# KiCad board yddraig68k.kicad_pcb (continued)
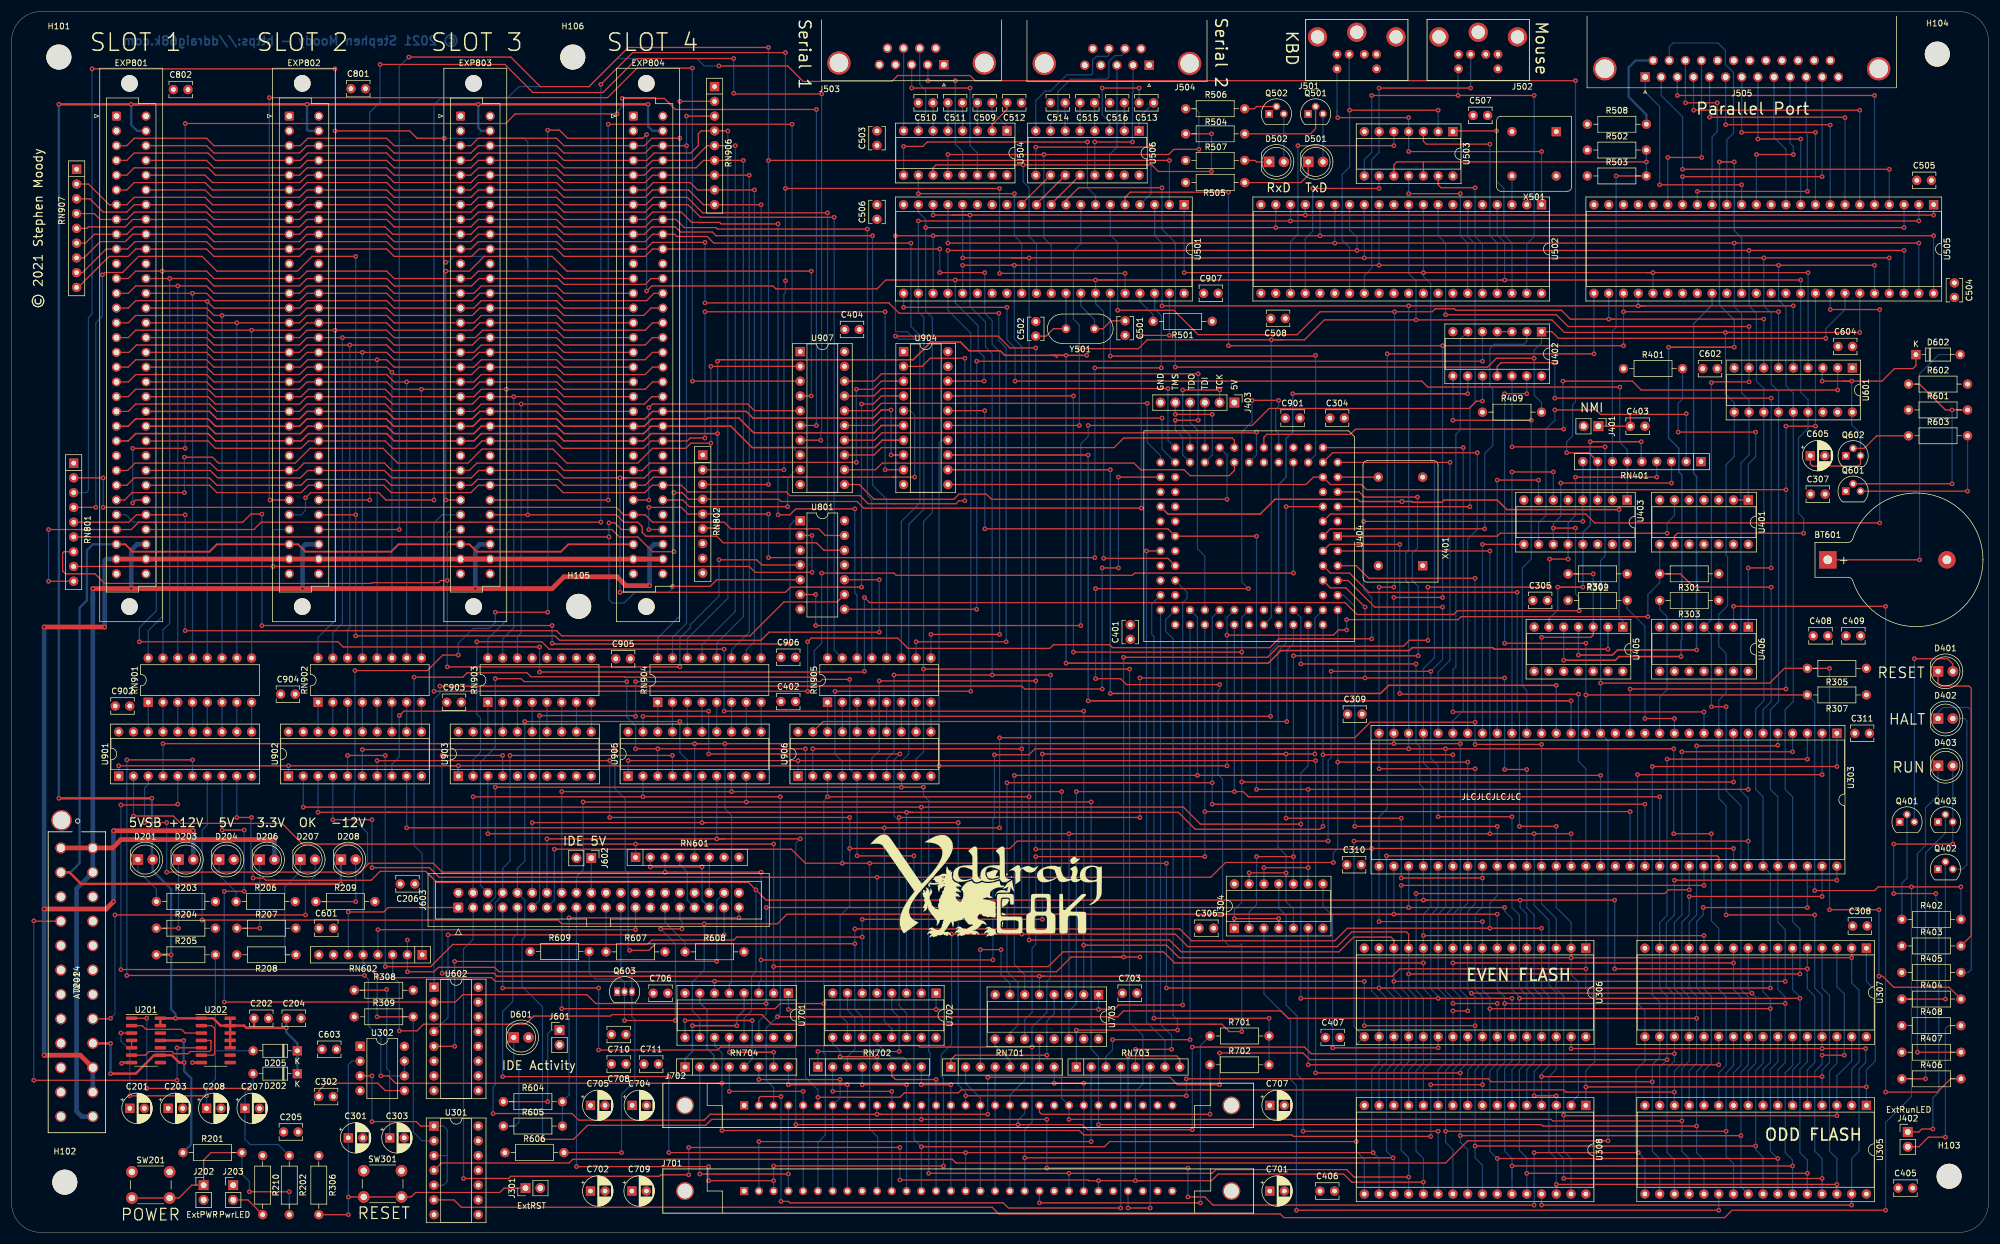
[diagram p0: board, top side]
## Routing (per net, layer and track width the routed paths; a pad name or vN(x,y) marks a point on that pad's centre or on a via; arc(x,y) is an arc through that point) (continued)
  Top w0.203: v1(133.48,124.84) 116.59,124.84 115.44,125.98 EXP804.C27
  Bottom w0.203: U907.9 134.94,131.19 133.48,129.73 v1(133.48,124.84)
/Expansion Bus/~{BCS_EXTREG1}: length 143.4
  Top w0.203: EXP801.A27 19.43,125.98 20.7,127.25 v1(29.72,127.25) ; v1(120.27,148.97) 135.64,148.97 ; v1(29.72,133.35) 34.54,133.35 35.56,132.33 48.77,132.33 51.31,134.87 63.88,134.87 66.42,132.33 78.49,132.33 80.9,134.75 93.09,134.75 95.5,132.33 107.7,132.33 110.24,134.87 115.95,134.87 116.84,135.76 v1(120.27,135.76)
  Bottom w0.203: v1(120.27,148.97) v1(120.27,135.76) ; v1(29.72,127.25) v1(29.72,133.35)
/Expansion Bus/~{BCS_EXTREG2}: length 219.8
  Top w0.203: v1(44.32,195.2) 102.49,195.2 107.57,200.28 v1(117.09,200.28) ; EXP802.A27 v1(44.45,125.98) ; U907.3 v1(117.09,146.43)
  Bottom w0.203: v1(117.09,146.43) v1(117.09,200.28) ; v1(44.45,125.98) 44.32,126.11 v1(44.32,195.2)
/Expansion Bus/~{BCS_EXTREG3}: length 130.2
  Top w0.203: v1(137.54,165.35) 95.5,165.35 92.96,167.89 81.28,167.89 78.74,165.35 v1(74.68,165.35) ; v1(74.68,125.98) EXP803.A27 ; 135.64,143.89 v1(137.54,143.89)
  Bottom w0.203: v1(74.68,165.35) v1(74.68,125.98) ; v1(137.54,143.89) v1(137.54,165.35)
/Expansion Bus/~{BCS_EXTREG4}: length 45.3
  Top w0.203: U907.5 127.76,141.35 126.62,142.49 110.24,142.49 v1(109.6,141.86) ; EXP804.A27 v1(109.6,125.98)
  Bottom w0.203: v1(109.6,125.98) v1(109.6,141.86)
/Expansion Bus/~{BLDS}: length 152.3
  Top w0.203: U904.3 149.61,146.43 148.21,145.03 v1(145.29,145.03) ; EXP801.A25 19.94,131.06 21.21,132.33 34.16,132.33 35.43,131.06 EXP802.A25 49.02,131.06 50.29,132.33 64.13,132.33 65.41,131.06 EXP803.A25 78.74,131.06 80.01,132.33 93.73,132.33 95,131.06 EXP804.A25 108.46,131.06 109.73,132.33 126.75,132.33 126.87,132.46 v1(145.29,132.46)
  Bottom w0.203: v1(145.29,132.46) v1(145.29,145.03)
/Expansion Bus/~{BRESET}: length 181.3
  Top w0.203: 152.02,125.35 152.15,125.35 ; 152.02,125.35 162.43,125.35 162.94,125.86 v1(163.96,125.86) ; 152.02,125.35 147.32,125.35 145.92,126.75 133.86,126.75 133.22,127.38 116.33,127.38 115.19,128.52 EXP804.C26 110.17,128.52 108.9,127.25 94.87,127.25 93.6,128.52 EXP803.C26 80.26,128.52 78.99,127.25 65.28,127.25 64.01,128.52 EXP802.C26 51.05,128.52 49.78,127.25 35.31,127.25 34.04,128.52 EXP801.C26 ; 153.42,148.97 156.59,148.97 157.99,150.37 v1(163.96,150.37)
  Bottom w0.203: v1(163.96,125.86) v1(163.96,150.37)
/Expansion Bus/~{BUDS}: length 194.1
  Top w0.203: v1(146.18,142.49) 148.21,142.49 149.61,143.89 153.42,143.89 ; v1(146.18,111) 133.99,111 133.1,110.11 v1(104.65,110.11) ; 105.79,129.79 108.84,129.79 110.11,131.06 EXP804.C25 ; 105.79,129.79 95,129.79 93.73,131.06 EXP803.C25 80.33,131.06 79.06,129.79 65.41,129.79 64.13,131.06 EXP802.C25 50.93,131.06 49.66,129.79 35.43,129.79 34.16,131.06 EXP801.C25 ; 105.79,129.79 v1(104.65,129.79)
  Bottom w0.203: v1(146.18,142.49) v1(146.18,111) ; v1(104.65,129.79) v1(104.65,110.11)
/Expansion Bus/~{BVMA}: length 135.5
  Top w0.25: EXP801.C22 33.78,138.68 35.05,137.41 49.66,137.41 50.93,138.68 EXP802.C22 64.52,138.68 65.79,137.41 79.5,137.41 80.77,138.68 EXP803.C22 93.73,138.68 95,137.41 108.71,137.41 109.98,138.68 EXP804.C22 123.7,138.68 127.38,135 148.46,135 149.73,136.27 U904.7
/Expansion Bus/~{DTACK_EXT1}: length 156.4
  Top w0.203: v1(29.84,123.44) EXP801.C28 21.46,123.44 20.19,122.17 RN801.5 ; v1(29.84,103.51) 93.73,103.51 94.62,102.62 127,102.62 132.84,108.46 141.99,108.46 U801.9
  Bottom w0.203: v1(29.84,123.44) v1(29.84,103.51)
/Expansion Bus/~{DTACK_EXT2}: length 269.7
  Top w0.203: v1(15.62,164.72) 16.02,165.12 19.07,165.12 21.84,167.89 32.77,167.89 35.31,165.35 49.15,165.35 51.69,167.89 v1(59.18,167.89) ; U801.10 v1(149.22,112.27) ; RN801.4 v1(14.48,124.71) ; v1(149.22,103.25) 130.3,103.25 128.91,101.85 94.23,101.85 93.47,102.62 v1(59.18,102.62) ; v1(59.18,123.44) EXP802.C28
  Bottom w0.203: v1(14.48,124.71) 14.48,156.46 15.62,157.61 v1(15.62,164.72) ; 59.18,122.56 v1(59.18,123.44) ; 59.18,122.56 v1(59.18,102.62) ; 59.18,122.56 v1(59.18,167.89) ; v1(149.22,112.27) v1(149.22,103.25)
/Expansion Bus/~{DTACK_EXT3}: length 306.3
  Top w0.203: U801.12 139.7,117.35 138.43,118.62 122.43,118.62 121.28,119.76 109.09,119.76 108.46,120.4 108.46,121.41 107.7,122.17 105.28,122.17 104.01,123.44 88.65,123.44 ; 88.65,123.44 v1(88.77,123.44) ; 88.65,123.44 EXP803.C28 ; v1(74.42,188.21) 69.72,188.21 68.45,189.48 v1(55.63,189.48) ; v1(55.63,200.15) v1(13.84,200.15)
  Bottom w0.203: 88.77,166.37 88.77,187.58 88.14,188.21 v1(74.42,188.21) ; 88.77,166.37 88.77,167.26 88.14,167.89 76.07,167.89 75.06,166.88 v1(74.68,166.88) ; 88.77,166.37 v1(88.77,123.44) ; v1(13.84,200.15) 13.84,164.59 ; 13.84,164.59 13.84,164.21 ; 13.84,164.59 13.84,157.99 13.21,157.35 13.21,127.64 12.83,127.25 RN801.3 ; v1(55.63,189.48) v1(55.63,200.15)
/Expansion Bus/~{DTACK_EXT4}: length 139.7
  Top w0.203: U801.13 139.95,119.89 138.81,121.03 123.7,121.03 122.56,122.17 110.24,122.17 108.97,123.44 EXP804.A28 105.28,123.44 104.01,124.71 v1(15.75,124.71) ; RN801.2 v1(15.75,129.79)
  Bottom w0.203: v1(15.75,124.71) v1(15.75,129.79)
/Expansion Bus/~{EXT_BERR1}: length 188
  Top w0.203: 13.34,120.9 EXP801.A29 20.57,120.9 21.84,122.17 39.75,122.17 41.15,123.57 v1(43.05,123.57) ; 13.34,120.9 v1(6.35,120.9) ; 13.34,120.9 11.94,120.9 ; v1(6.35,112.01) RN801.9 ; v1(133.86,101.22) 93.09,101.22 v1(92.96,101.35) ; v1(43.05,104.39) v1(92.96,104.39)
  Bottom w0.203: v1(6.35,120.9) v1(6.35,112.01) ; U801.1 134.63,122.43 133.86,121.65 v1(133.86,101.22) ; v1(43.05,123.57) v1(43.05,104.39) ; v1(92.96,104.39) v1(92.96,101.35)
/Expansion Bus/~{EXT_BERR2}: length 146.1
  Top w0.203: v1(137.67,119.89) U801.2 ; 46.23,114.55 126.87,114.55 127.89,113.54 v1(137.67,113.54) ; 46.23,114.55 RN801.8 ; 46.23,114.55 v1(44.96,114.55)
  Bottom w0.203: EXP802.A29 45.21,120.9 44.96,120.65 v1(44.96,114.55) ; v1(137.67,113.54) v1(137.67,119.89)
/Expansion Bus/~{EXT_BERR3}: length 173.4
  Top w0.203: v1(114.94,97.28) 114.37,97.28 v1(74.93,97.28) ; v1(121.67,115.7) 128.14,115.7 129.03,114.81 U801.4 ; v1(74.93,112.14) 73.79,112.14 73.41,111.76 61.98,111.76 61.85,111.63 16,111.63 14.35,113.28 9.27,113.28 8.76,113.79 8.76,116.84 9.02,117.09 RN801.7
  Bottom w0.203: v1(114.94,97.28) 114.94,102.24 116.71,104.01 116.71,104.52 121.67,109.47 v1(121.67,115.7) ; EXP803.A29 75.56,120.9 74.93,120.27 v1(74.93,112.14) v1(74.93,97.28)
/Expansion Bus/~{EXT_BERR4}: length 145
  Top w0.203: v1(102.74,122.05) 103.76,122.05 104.9,120.9 EXP804.A29 ; U801.5 121.28,112.27 120.14,111.12 v1(113.66,111.12) ; RN801.6 v1(102.74,119.63)
  Bottom w0.203: v1(102.74,122.05) v1(102.74,119.63) 102.74,108.84 103.31,108.27 105.35,108.27 107.19,110.11 113.03,110.11 113.66,110.74 v1(113.66,111.12)
/Expansion Bus/~{EXT_PD1}: length 351
  Top w0.203: v1(101.35,197.49) 106.81,202.95 v1(133.1,202.95) ; 118.87,131.19 v1(132.84,131.19) ; v1(169.93,179.58) v1(133.1,179.58) ; v1(101.35,122.17) 42.93,122.17 41.66,120.9 EXP801.C29 ; v1(191.52,164.97) v1(169.93,164.97)
  Bottom w0.203: v1(133.1,202.95) v1(133.1,179.58) 133.1,163.07 ; U501.36 v1(191.52,164.97) ; v1(101.35,122.17) v1(101.35,197.49) ; v1(132.84,131.19) 132.84,161.42 133.1,161.67 133.1,163.07 ; 133.1,163.07 v1(133.1,163.7) ; v1(169.93,164.97) v1(169.93,179.58)
/Expansion Bus/~{EXT_PD2}: length 326.6
  Top w0.203: EXP802.C29 v1(66.67,120.9) ; RN802.3 v1(130.18,128.65) ; v1(68.33,202.18) 85.85,202.18 90.93,197.1 99.31,197.1 106.05,203.84 v1(130.18,203.84) ; v1(130.18,184.4) v1(199.14,184.4)
  Bottom w0.203: v1(68.33,202.18) 66.67,200.53 v1(66.67,120.9) ; v1(199.14,184.4) U501.2 ; 130.18,183.39 v1(130.18,184.4) ; 130.18,183.39 v1(130.18,128.65) ; 130.18,183.39 v1(130.18,203.84)
/Expansion Bus/~{EXT_PD3}: length 166.6
  Top w0.203: v1(194.31,154.31) v1(199.14,154.31) ; v1(113.92,117.09) 110.24,117.09 107.7,119.63 104.52,119.63 103.25,120.9 EXP803.C29 ; v1(113.92,127.25) 115.32,127.25 116.46,126.11 131.95,126.11 132.33,125.73 145.41,125.73 146.56,124.59 v1(194.31,124.59)
  Bottom w0.203: v1(194.31,124.59) v1(194.31,154.31) ; v1(199.14,154.31) U501.39 ; v1(113.92,117.09) v1(113.92,127.25)
/Expansion Bus/~{EXT_PD4}: length 148.3
  Top w0.203: EXP804.C29 v1(109.6,120.9) ; v1(186.31,148.72) v1(197.74,148.72) ; v1(130.18,123.57) RN802.5 116.33,123.57 115.19,124.71 v1(109.6,124.71) ; v1(130.18,116.08) v1(186.31,116.08)
  Bottom w0.203: v1(186.31,148.72) v1(186.31,116.08) ; v1(197.74,148.72) 197.74,157.73 196.6,158.88 U501.38 ; v1(130.18,123.57) v1(130.18,116.08) ; v1(109.6,120.9) v1(109.6,124.71)
/IDE Interface/ACTIVE: length 67.3
  Top w0.203: v1(125.09,54.1) v1(95.88,54.1)
  Bottom w0.203: J603.39 v1(125.09,54.1) ; R605.2 R604.2 95.88,23.62 v1(95.88,54.1)
/IDE Interface/IRQ: length 50
  Top w0.203: v1(114.17,36.45) v1(105.41,36.45) ; v1(111.63,52.2) v1(115.32,52.2)
  Bottom w0.203: 105.41,41.4 v1(105.41,36.45) ; Q603.2 105.43,42.97 104.8,43.6 100.4,43.6 99.36,44.64 R609.2 ; v1(111.63,52.2) 114.17,49.66 v1(114.17,36.45) ; v1(115.32,52.2) 115.32,53.47 114.94,53.85 J603.31
/Peripherals/PPACK: length 28.6
  Top w0.203: v1(306.45,185.42) v1(300.1,185.42)
  Bottom w0.203: v1(306.45,185.42) 306.45,186.82 305.89,187.37 J505.10 ; v1(300.1,185.42) U505.13
/Peripherals/PPBUSY: length 41
  Top w0.203: v1(308.86,179.07) v1(289.94,179.07)
  Bottom w0.203: v1(289.94,179.07) U505.17 ; v1(308.86,179.07) 308.86,188.85 308.67,189.05 J505.11
/Peripherals/PPERROR: length 40.4
  Bottom w0.203: U505.15 295.02,187.96 296.16,189.1 296.16,199.52 294.77,200.91 294.77,203.33 293.5,204.6 285.75,204.6 285.12,203.97 J505.15
/Peripherals/PPINIT: length 30.6
  Top w0.203: v1(287.91,194.31) v1(293.37,194.31)
  Bottom w0.203: v1(293.37,194.31) 293.37,189.36 292.48,188.47 U505.16 ; v1(287.91,194.31) 287.89,194.33 J505.16
/Peripherals/PPPAPER: length 46
  Top w0.203: v1(287.4,181.61) v1(311.4,181.61)
  Bottom w0.203: 311.44,198.75 311.4,198.72 v1(311.4,181.61) ; U505.18 v1(287.4,181.61)
/Peripherals/PPSELECT: length 30.7
  Top w0.203: v1(290.7,184.91) v1(284.86,184.91)
  Bottom w0.203: v1(284.86,184.91) U505.19 ; v1(290.7,184.91) 290.66,184.95 J505.17
/Peripherals/PPSTROBE: length 37.1
  Top w0.203: v1(297.56,180.21) v1(283.46,180.21)
  Bottom w0.203: J505.1 280.97,196.17 283.46,193.68 v1(283.46,180.21) ; 297.56,176.78 v1(297.56,180.21)
/Peripherals/RXDA: length 82.7
  Top w0.203: 175.51,185.42 199.01,185.42 199.9,186.31 v1(204.22,186.31) ; 175.51,185.42 v1(177.55,185.42) ; 175.51,185.42 v1(161.04,185.42)
  Bottom w0.203: v1(204.22,186.31) 204.22,192.66 203.58,193.29 R506.2 ; v1(161.04,185.42) 161.04,181.61 ; v1(177.55,185.42) 177.55,171.07 178.82,169.8 U501.31
/Peripherals/TXDA: length 83.8
  Top w0.203: v1(206.38,182.5) 197.23,182.5 196.09,183.64 v1(173.99,183.64) 159,183.64 158.5,183.13 U504.11 ; v1(206.38,188.98) R504.2
  Bottom w0.203: v1(173.99,183.64) 173.99,180.72 175.01,179.7 175.01,171.32 176.28,170.05 U501.30 ; v1(206.38,182.5) v1(206.38,188.98)
/Power/PWR_OK: length 64.2
  Top w0.203: v1(17.02,36.83) 16.92,36.73 J201.8 ; v1(17.78,54.61) v1(50.55,54.61)
  Bottom w0.203: 52.2,64.13 52.2,61.34 50.55,59.69 v1(50.55,54.61) ; v1(17.78,54.61) 17.78,37.59 v1(17.02,36.83)
/Power/~{PWR_ON}: length 66.7
  Top w0.203: v1(3.81,53.59) 3.87,53.53 J201.16 ; 32.64,31.62 U202.5 v1(28.45,31.75) ; v1(28.45,26.16) v1(3.81,26.16)
  Bottom w0.203: v1(28.45,31.75) v1(28.45,26.16) ; v1(3.81,53.59) v1(3.81,26.16)
Net-(BT601-Pad1): length 56.1
  Top w0.203: BT601.1 v1(328.17,115.7)
  Bottom w0.203: v1(328.17,115.7) 328.17,147.7 331.47,151 D602.2
Net-(C207-Pad1): length 53
  Top w0.203: U201.1 v1(23.24,36.83) ; v1(23.24,24.76) v1(40.89,24.76)
  Bottom w0.203: D202.2 41.53,25.4 v1(40.89,24.76) 40.13,24 C207.1 40.13,16 41.02,15.11 45.85,15.11 R202.1 ; v1(23.24,36.83) v1(23.24,24.76)
Net-(C208-Pad1): length 60.8
  Top w0.203: U201.3 v1(18.8,34.29) ; v1(33.53,23.5) v1(20.32,23.5)
  Bottom w0.203: D205.2 35.05,31.24 ; 35.05,31.24 35.05,26.42 33.53,24.89 33.53,24.26 ; 35.05,31.24 R205.2 ; 33.53,24.26 C208.1 ; 33.53,24.26 v1(33.53,23.5) ; v1(20.32,23.5) 20.32,31.37 18.8,32.89 v1(18.8,34.29)
Net-(C301-Pad1): length 64.3
  Top w0.203: J301.1 84.71,7.62 83.95,6.86 69.47,6.86 68.71,6.1 SW301.2 SW301.2 57.92,6.1 v1(57.91,6.08) ; R306.2 v1(57.91,3.05)
  Bottom w0.203: v1(57.91,3.05) v1(57.91,6.08) C301.1 57.91,28.83 58.55,29.46 U302.2
Net-(C302-Pad1): length 16.8
  Top w0.203: U302.5 64.26,24.38 62.99,25.65 54.1,25.65 52.83,24.38 C302.1
Net-(C303-Pad1): length 36.5
  Top w0.203: v1(64.52,41.78) 64.39,41.66 R308.2
  Bottom w0.203: v1(64.52,41.78) 64.52,28.19 65.02,27.69 65.02,26.92 ; 65.02,26.92 C303.1 ; 65.02,26.92 U302.6 U302.7
Net-(C403-Pad1): length 63.1
  Top w0.203: J401.1 C403.1 278.42,140.63 278.51,140.72 ; v1(288.04,140.84) 287.91,140.72 278.51,140.72 ; v1(265.43,141.48) 272.54,141.48 273.3,140.72 278.51,140.72
  Bottom w0.203: U403.10 262.64,122.05 263.91,123.32 263.91,138.18 265.43,139.7 v1(265.43,141.48) ; v1(288.04,140.84) RN401.2
Net-(C501-Pad1): length 12.9
  Top w0.203: C501.1 189.06,156.81 187.71,155.45 Y501.1
  Bottom w0.203: U501.33 183.9,159.38 186.26,157.03 Y501.1
Net-(C502-Pad1): length 11.8
  Top w0.203: C502.1 177.93,154.18 179.2,155.45 Y501.2
  Bottom w0.203: Y501.2 U501.32
Net-(C509-Pad1): length 6.1
  Bottom w0.203: 171.2,189.23 171.2,190.25 168.62,192.83 C509.1
Net-(C509-Pad2): length 5.1
  Bottom w0.203: C509.2 166.12,189.23
Net-(C510-Pad1): length 5.1
  Bottom w0.203: C510.1 158.5,194.27 158.5,189.23
Net-(C511-Pad1): length 5.1
  Bottom w0.203: 163.58,189.23 163.58,194.27 C511.1
Net-(C511-Pad2): length 5.1
  Bottom w0.203: C511.2 161.04,189.23
Net-(C512-Pad2): length 6.1
  Top w0.203: C512.2 171.2,193.17 168.66,190.63 168.66,189.23
Net-(C513-Pad1): length 5.9
  Bottom w0.203: C513.1 193.93,191.81 U506.1
Net-(C513-Pad2): length 16.8
  Top w0.203: v1(187.58,196.85) v1(193.93,196.85)
  Bottom w0.203: U506.3 188.85,191.01 187.58,192.28 v1(187.58,196.85) ; v1(193.93,196.85) C513.2
Net-(C514-Pad1): length 4.8
  Bottom w0.203: U506.6 181.19,189.52 C514.1
Net-(C515-Pad1): length 4.8
  Bottom w0.203: C515.1 186.27,189.52 U506.4
Net-(C515-Pad2): length 4.8
  Bottom w0.203: U506.5 C515.2
Net-(C516-Pad1): length 4.8
  Bottom w0.25: C516.1 U506.2
Net-(C605-Pad1): length 48.2
  Top w0.203: Q602.3 318.01,132.21 317.63,131.83 309.75,131.83 309.37,132.21 C605.1 ; 314.96,146.43 321.69,146.43 323.85,148.59 327.02,148.59 327.53,149.1 D602.1 ; 314.96,146.43 v1(316.48,146.43) ; 314.96,146.43 v1(311.4,146.43)
  Bottom w0.203: 311.4,148.72 v1(311.4,146.43) ; v1(316.48,146.43) 316.48,138.94 318.01,137.41 Q602.3
Net-(D201-Pad1): length 8.6
  Bottom w0.203: D201.1 21.72,62.23 24.89,59.06 R203.1
Net-(D203-Pad1): length 15.6
  Top w0.203: v1(28.7,52.32) R204.1
  Bottom w0.203: D203.1 v1(28.7,52.32)
Net-(D204-Pad1): length 8.4
  Bottom w0.203: R206.1 38.61,58.55 35.69,61.47 D204.1
Net-(D206-Pad1): length 15.7
  Top w0.203: v1(42.67,52.32) R207.1
  Bottom w0.203: D206.1 v1(42.67,52.32)
Net-(D207-Pad1): length 19.4
  Bottom w0.203: D207.1 49.66,62.1 46.99,59.44 46.99,47.75 R208.1
Net-(D208-Pad2): length 14.1
  Top w0.203: R209.1 v1(59.18,56.9)
  Bottom w0.203: v1(59.18,56.9) D208.2
Net-(D401-Pad1): length 53.2
  Top w0.203: D401.1 331.34,94.36 331.72,93.98 336.68,93.98 337.06,93.6 337.06,51.05 R403.2
Net-(D401-Pad2): length 36.3
  Top w0.203: v1(327.28,98.68) 332.99,98.68 333.88,97.79 D401.2
  Bottom w0.203: Q401.3 v1(327.28,98.68)
Net-(D402-Pad1): length 53.9
  Bottom w0.203: R405.2 336.55,44.7 337.06,45.21 337.06,89.79 336.55,90.3 332.23,90.3 331.34,89.41 D402.1
Net-(D402-Pad2): length 30.1
  Bottom w0.203: Q402.3 335.53,62.48 336.3,63.25 336.3,88.01 335.92,88.39 D402.2
Net-(D403-Pad1): length 58.2
  Top w0.203: v1(327.79,30.99) R407.2
  Bottom w0.203: D403.1 331.34,75.18 329.18,73.03 329.18,66.55 327.79,65.15 v1(327.79,30.99)
Net-(D403-Pad2): length 85
  Top w0.203: J402.1 328.04,17.27 328.55,17.78 v1(330.45,17.78) ; v1(323.72,66.8) v1(333.88,66.8) ; v1(330.96,58.29) v1(323.72,58.29)
  Bottom w0.203: v1(330.96,58.29) 330.96,57.28 331.47,56.77 331.47,24.13 330.45,23.11 v1(330.45,17.78) ; D403.2 Q403.3 v1(333.88,66.8) ; v1(323.72,58.29) v1(323.72,66.8)
Net-(D501-Pad1): length 13.7
  Top w0.203: D501.1 223.01,181.86 221.74,180.59 R505.1
Net-(D501-Pad2): length 8.3
  Bottom w0.203: Q501.3 D501.2
Net-(D502-Pad1): length 4.3
  Top w0.203: D502.1 214.12,184.15 213.87,184.4 R507.1
Net-(D502-Pad2): length 8.3
  Bottom w0.203: D502.2 Q502.3
Net-(D601-Pad1): length 17.9
  Bottom w0.203: D601.1 86.36,29.46 87.25,28.57 87.25,18.92 86.61,18.29 R605.1
Net-(J202-Pad1): length 42.8
  Top w0.203: SW201.2 SW201.2 28.77,5.91 30.99,8.13 J202.1 33.02,12.45 34.29,13.72 R201.2 ; v1(40.89,6.99) v1(47.75,6.99)
  Bottom w0.203: v1(47.75,6.99) R202.2 ; R201.2 39.62,10.03 40.89,8.76 v1(40.89,6.99)
Net-(J203-Pad2): length 6.1
  Top w0.203: R210.1 40.64,5.59 J203.2
Net-(J402-Pad2): length 28.7
  Top w0.203: v1(332.61,16.38) 329.69,16.38 328.04,14.73 J402.2
  Bottom w0.203: R408.2 333.12,35.56 332.61,35.05 v1(332.61,16.38)
Net-(J403-Pad2): length 18.9
  Top w0.203: v1(201.42,144.91) v1(207.77,144.91)
  Bottom w0.203: U404.30 202.69,137.03 201.42,138.3 v1(201.42,144.91) ; v1(207.77,144.91) J403.2
Net-(J403-Pad3): length 8.1
  Bottom w0.203: J403.3 205.23,134.62
Net-(J403-Pad4): length 37.1
  Bottom w0.203: 205.23,106.68 205.23,116.33 203.96,117.6 203.96,138.05 202.69,139.32 J403.4
Net-(J403-Pad5): length 17.2
  Top w0.203: v1(206.5,140.72) v1(200.15,140.72)
  Bottom w0.203: U404.29 206.5,133.73 v1(206.5,140.72) ; v1(200.15,140.72) J403.5
Net-(J501-Pad1): length 61.1
  Top w0.203: v1(230.12,193.04) v1(245.36,193.04)
  Bottom w0.203: U502.27 230.12,169.42 228.85,170.69 228.85,181.99 230.12,183.26 v1(230.12,193.04) 230.06,193.1 J501.1 ; v1(245.36,193.04) U503.2
Net-(J501-Pad5): length 59.4
  Top w0.203: v1(228.09,191.77) v1(240.28,191.77) ; v1(240.28,185.93) v1(263.14,185.93)
  Bottom w0.203: v1(228.09,191.77) 227.97,191.9 227.97,192.91 ; v1(263.14,185.93) U502.1 ; v1(240.28,185.93) U503.4 v1(240.28,191.77) ; 227.97,192.91 227.97,191.97 ; 227.97,192.91 J501.5
Net-(J502-Pad1): length 57.9
  Top w0.203: v1(235.2,196.85) v1(250.95,196.85)
  Bottom w0.203: U502.28 232.66,164.59 233.93,165.86 233.93,184.53 235.2,185.8 U503.6 v1(235.2,196.85) ; v1(250.95,196.85) J502.1
Net-(J502-Pad5): length 81.5
  Top w0.203: v1(261.87,195.58) v1(248.79,195.58) v1(233.93,195.58)
  Bottom w0.203: v1(248.79,195.58) 248.79,200.09 J502.5 ; v1(233.93,195.58) 233.93,185.8 232.66,184.53 U503.8 ; v1(261.87,195.58) 261.87,171.32 260.6,170.05 U502.39
Net-(J503-Pad2): length 24.5
  Top w0.203: v1(162.31,198.12) v1(157.61,198.12)
  Bottom w0.203: J503.2 157.61,200.83 v1(157.61,198.12) ; 163.58,181.61 163.58,185.93 162.31,187.2 v1(162.31,198.12)
Net-(J503-Pad3): length 29.8
  Top w0.203: v1(164.85,196.85) v1(154.81,196.85)
  Bottom w0.203: 166.12,181.61 166.12,185.67 164.85,186.94 v1(164.85,196.85) ; J503.3 154.81,200.86 v1(154.81,196.85)
Net-(J503-Pad7): length 15.4
  Bottom w0.203: 155.96,189.23 155.96,191.13 157.23,192.41 157.23,196.47 156.19,197.51 J503.7
Net-(J503-Pad8): length 14.5
  Bottom w0.203: 153.42,189.23 J503.8
Net-(J504-Pad2): length 25.4
  Top w0.203: v1(192.79,187.58) v1(186.31,187.58)
  Bottom w0.203: v1(192.79,187.58) 192.79,196.09 192.89,196.19 J504.2 ; v1(186.31,187.58) U506.13
Net-(J504-Pad3): length 19.4
  Bottom w0.203: U506.14 188.85,185.42 190.12,186.69 J504.3
Net-(J504-Pad7): length 23.8
  Bottom w0.203: 191.5,203.63 191.5,203.06 190.88,202.44 189.74,202.44 188.72,201.42 188.72,198.75 188.34,198.37 182.12,198.37 179.96,196.22 179.96,192.02 178.69,190.75 U506.7
Net-(J504-Pad8): length 23.4
  Bottom w0.203: U506.8 176.15,194.69 177.8,196.34 178.69,196.34 181.48,199.14 185.67,199.14 185.93,199.39 185.93,201.68 186.56,202.31 188.47,202.31 188.73,202.58 188.73,203.63
Net-(J505-Pad2): length 59
  Top w0.203: v1(322.96,182.88) v1(287.4,182.88)
  Bottom w0.203: J505.2 283.74,195.56 287.4,191.9 v1(287.4,182.88) ; U505.4 v1(322.96,182.88)
Net-(J505-Pad3): length 55.9
  Top w0.203: v1(286.51,195.58) v1(320.42,195.58)
  Bottom w0.203: 286.5,198.75 286.5,195.59 v1(286.51,195.58) ; v1(320.42,195.58) U505.5
Net-(J505-Pad4): length 50.6
  Top w0.203: v1(289.31,193.04) v1(317.88,193.04)
  Bottom w0.203: v1(317.88,193.04) U505.6 ; v1(289.31,193.04) 289.27,193.07 J505.4
Net-(J505-Pad5): length 45.2
  Top w0.203: v1(315.34,191.77) 315.27,191.84 v1(292.05,191.84)
  Bottom w0.203: J505.5 v1(292.05,191.84) ; v1(315.34,191.77) U505.7
Net-(J505-Pad6): length 39.9
  Top w0.203: v1(294.81,190.55) 312.75,190.55 v1(312.8,190.5)
  Bottom w0.203: v1(312.8,190.5) 312.8,176.78 ; J505.6 v1(294.81,190.55)
Net-(J505-Pad7): length 34.7
  Top w0.203: v1(297.56,189.23) v1(310.26,189.23)
  Bottom w0.203: v1(310.26,189.23) U505.9 ; 297.58,198.75 297.58,189.25 v1(297.56,189.23)
Net-(J505-Pad8): length 29.3
  Top w0.203: v1(300.36,188.09) v1(307.72,188.09)
  Bottom w0.203: J505.8 v1(300.36,188.09) ; v1(307.72,188.09) U505.10
Net-(J505-Pad9): length 22.8
  Bottom w0.203: 303.12,198.75 303.12,188.37 305.18,186.31 305.18,176.78
Net-(J505-Pad14): length 15.8
  Bottom w0.4: J505.14 279.32,201.59 278.13,200.41 278.13,195.33 281.18,192.28 R508.2
Net-(J601-Pad1): length 21.6
  Top w0.203: R604.1 92.2,22.48 v1(92.2,22.48)
  Bottom w0.203: v1(92.2,22.48) 92.2,34.18 92.82,34.8 J601.1
Net-(J602-Pad1): length 6
  Bottom w0.203: J602.1 J603.20
Net-(J603-Pad1): length 26.6
  Top w0.203: J603.1 64.77,55.88 64.01,55.12 v1(57.91,55.12)
  Bottom w0.203: RN602.6 v1(57.91,55.12)
Net-(J603-Pad21): length 7.6
  Bottom w0.203: J603.21 R607.1
Net-(J603-Pad23): length 53.8
  Top w0.203: v1(68.07,44.83) 72.64,44.83 73.41,45.59 83.06,45.59 83.82,44.83 v1(104.78,44.83)
  Bottom w0.203: v1(104.78,44.83) J603.23 ; v1(68.07,44.83) RN602.2 v1(68.07,50.29)
Net-(J603-Pad25): length 52.5
  Top w0.203: v1(107.31,52.07) v1(62.99,52.07)
  Bottom w0.203: J603.25 v1(107.31,52.07) ; RN602.4 v1(62.99,52.07)
Net-(J603-Pad29): length 9
  Bottom w0.203: J603.29 112.4,53.34 115.82,49.91 R608.1
Net-(J603-Pad33): length 9.7
  Bottom w0.203: RN601.4 114.94,63.25 116.21,61.98 116.21,57.15 J603.33
Net-(J603-Pad35): length 18.4
  Top w0.203: v1(118.75,62.87) v1(109.85,62.87)
  Bottom w0.203: v1(118.75,62.87) 118.75,57.15 119.13,56.77 ; J603.35 119.13,56.77 ; 119.13,56.77 118.87,57.02 ; v1(109.85,62.87) RN601.2
Net-(J603-Pad36): length 6.6
  Bottom w0.203: 120.02,60.32 120.02,59.82 ; 120.02,60.32 J603.36 ; 120.02,60.32 120.02,64.52
Net-(J603-Pad37): length 69.8
  Top w0.203: v1(75.06,51.18) v1(122.56,51.18)
  Bottom w0.203: v1(75.06,51.18) 75.06,36.96 U602.4 ; v1(122.56,51.18) J603.37
Net-(J603-Pad38): length 75.6
  Top w0.203: v1(76.2,32) U602.5 ; v1(121.28,46.61) v1(76.2,46.61)
  Bottom w0.203: v1(121.28,46.61) 121.28,57.15 J603.38 ; v1(76.2,46.61) v1(76.2,32)
Net-(J701-Pad2): length 78.5
  Top w0.203: v1(185.67,15.62) v1(128.52,15.62)
  Bottom w0.203: J701.2 v1(128.52,15.62) ; RN703.2 v1(185.67,15.62)
Net-(J701-Pad4): length 48.4
  Top w0.203: v1(118.36,10.03) v1(133.6,10.03)
  Bottom w0.203: J702.4 v1(133.6,10.03) J701.4 ; RN704.2 v1(118.36,10.03)
Net-(J701-Pad5): length 34
  Top w0.203: v1(136.14,24.26) v1(123.44,24.26)
  Bottom w0.203: v1(123.44,24.26) RN704.4 ; J701.5 J702.5 v1(136.14,24.26)
Net-(J701-Pad7): length 35.8
  Top w0.203: v1(142.49,26.29) v1(128.52,26.29)
  Bottom w0.203: v1(142.49,26.29) 142.49,23.11 J702.7 J701.7 ; v1(128.52,26.29) RN704.6
Net-(J701-Pad8): length 31.5
  Top w0.203: v1(143.76,25.4) v1(133.6,25.4)
  Bottom w0.203: v1(143.76,25.4) J702.8 J701.8 ; v1(133.6,25.4) RN704.8
Net-(J701-Pad11): length 31.5
  Top w0.203: v1(151.38,24.26) v1(141.22,24.26)
  Bottom w0.203: v1(151.38,24.26) J702.11 J701.11 ; v1(141.22,24.26) RN702.2
Net-(J701-Pad12): length 29
  Top w0.203: v1(153.92,25.4) v1(146.3,25.4)
  Bottom w0.203: J701.12 J702.12 v1(153.92,25.4) ; v1(146.3,25.4) RN702.4
Net-(J701-Pad14): length 28.6
  Top w0.203: RN702.6 151.38,26.92 152.02,26.29 v1(159,26.29)
  Bottom w0.203: J701.14 J702.14 v1(159,26.29)
Net-(J701-Pad15): length 26.4
  Top w0.203: v1(161.54,25.4) v1(156.46,25.4)
  Bottom w0.203: v1(161.54,25.4) J702.15 J701.15 ; v1(156.46,25.4) RN702.8
Net-(J701-Pad17): length 22.4
  Bottom w0.203: J701.17 J702.17 166.62,23.11 164.08,25.65 RN701.2
Net-(J701-Pad18): length 21.3
  Bottom w0.203: RN701.4 J702.18 J701.18
Net-(J701-Pad19): length 22.4
  Bottom w0.203: J701.19 J702.19 171.7,23.62 174.24,26.16 RN701.6
Net-(J701-Pad21): length 59.1
  Top w0.203: v1(176.78,5.08) v1(204.47,5.08)
  Bottom w0.203: v1(204.47,5.08) 204.47,32.13 R701.1 ; J701.21 v1(176.78,5.08)
Net-(J701-Pad24): length 26.4
  Top w0.203: v1(179.32,25.65) v1(184.4,25.65)
  Bottom w0.203: RN701.8 v1(179.32,25.65) ; v1(184.4,25.65) J702.24 J701.24
Net-(J701-Pad27): length 31
  Top w0.203: v1(195.83,4.19) v1(192.02,4.19)
  Bottom w0.203: RN703.6 v1(195.83,4.19) ; v1(192.02,4.19) J701.27
Net-(J702-Pad2): length 106.4
  Top w0.203: J702.2 128.52,23.11 128.78,23.37 v1(132.33,23.37) ; v1(190.75,4.19) 171.45,4.19 170.56,5.08 133.86,5.08 133.6,5.33 v1(132.33,5.33)
  Bottom w0.203: v1(190.75,4.19) RN703.4 ; v1(132.33,5.33) v1(132.33,23.37)
Net-(J702-Pad21): length 39.1
  Top w0.203: v1(206.12,20.32) 177.16,20.32 176.78,20.7 J702.21
  Bottom w0.203: R702.1 v1(206.12,20.32)
